# Altium PCB test_stand_2.PcbDoc (part 2 of 2)
Units mm, origin at the board's own origin, x right, y up, seen from the top; angles counter-clockwise.
Board outline 94 x 80 mm, 2 copper layers (Top Layer, Bottom Layer); 210 components, 161 nets, 725 pads, 177 vias.
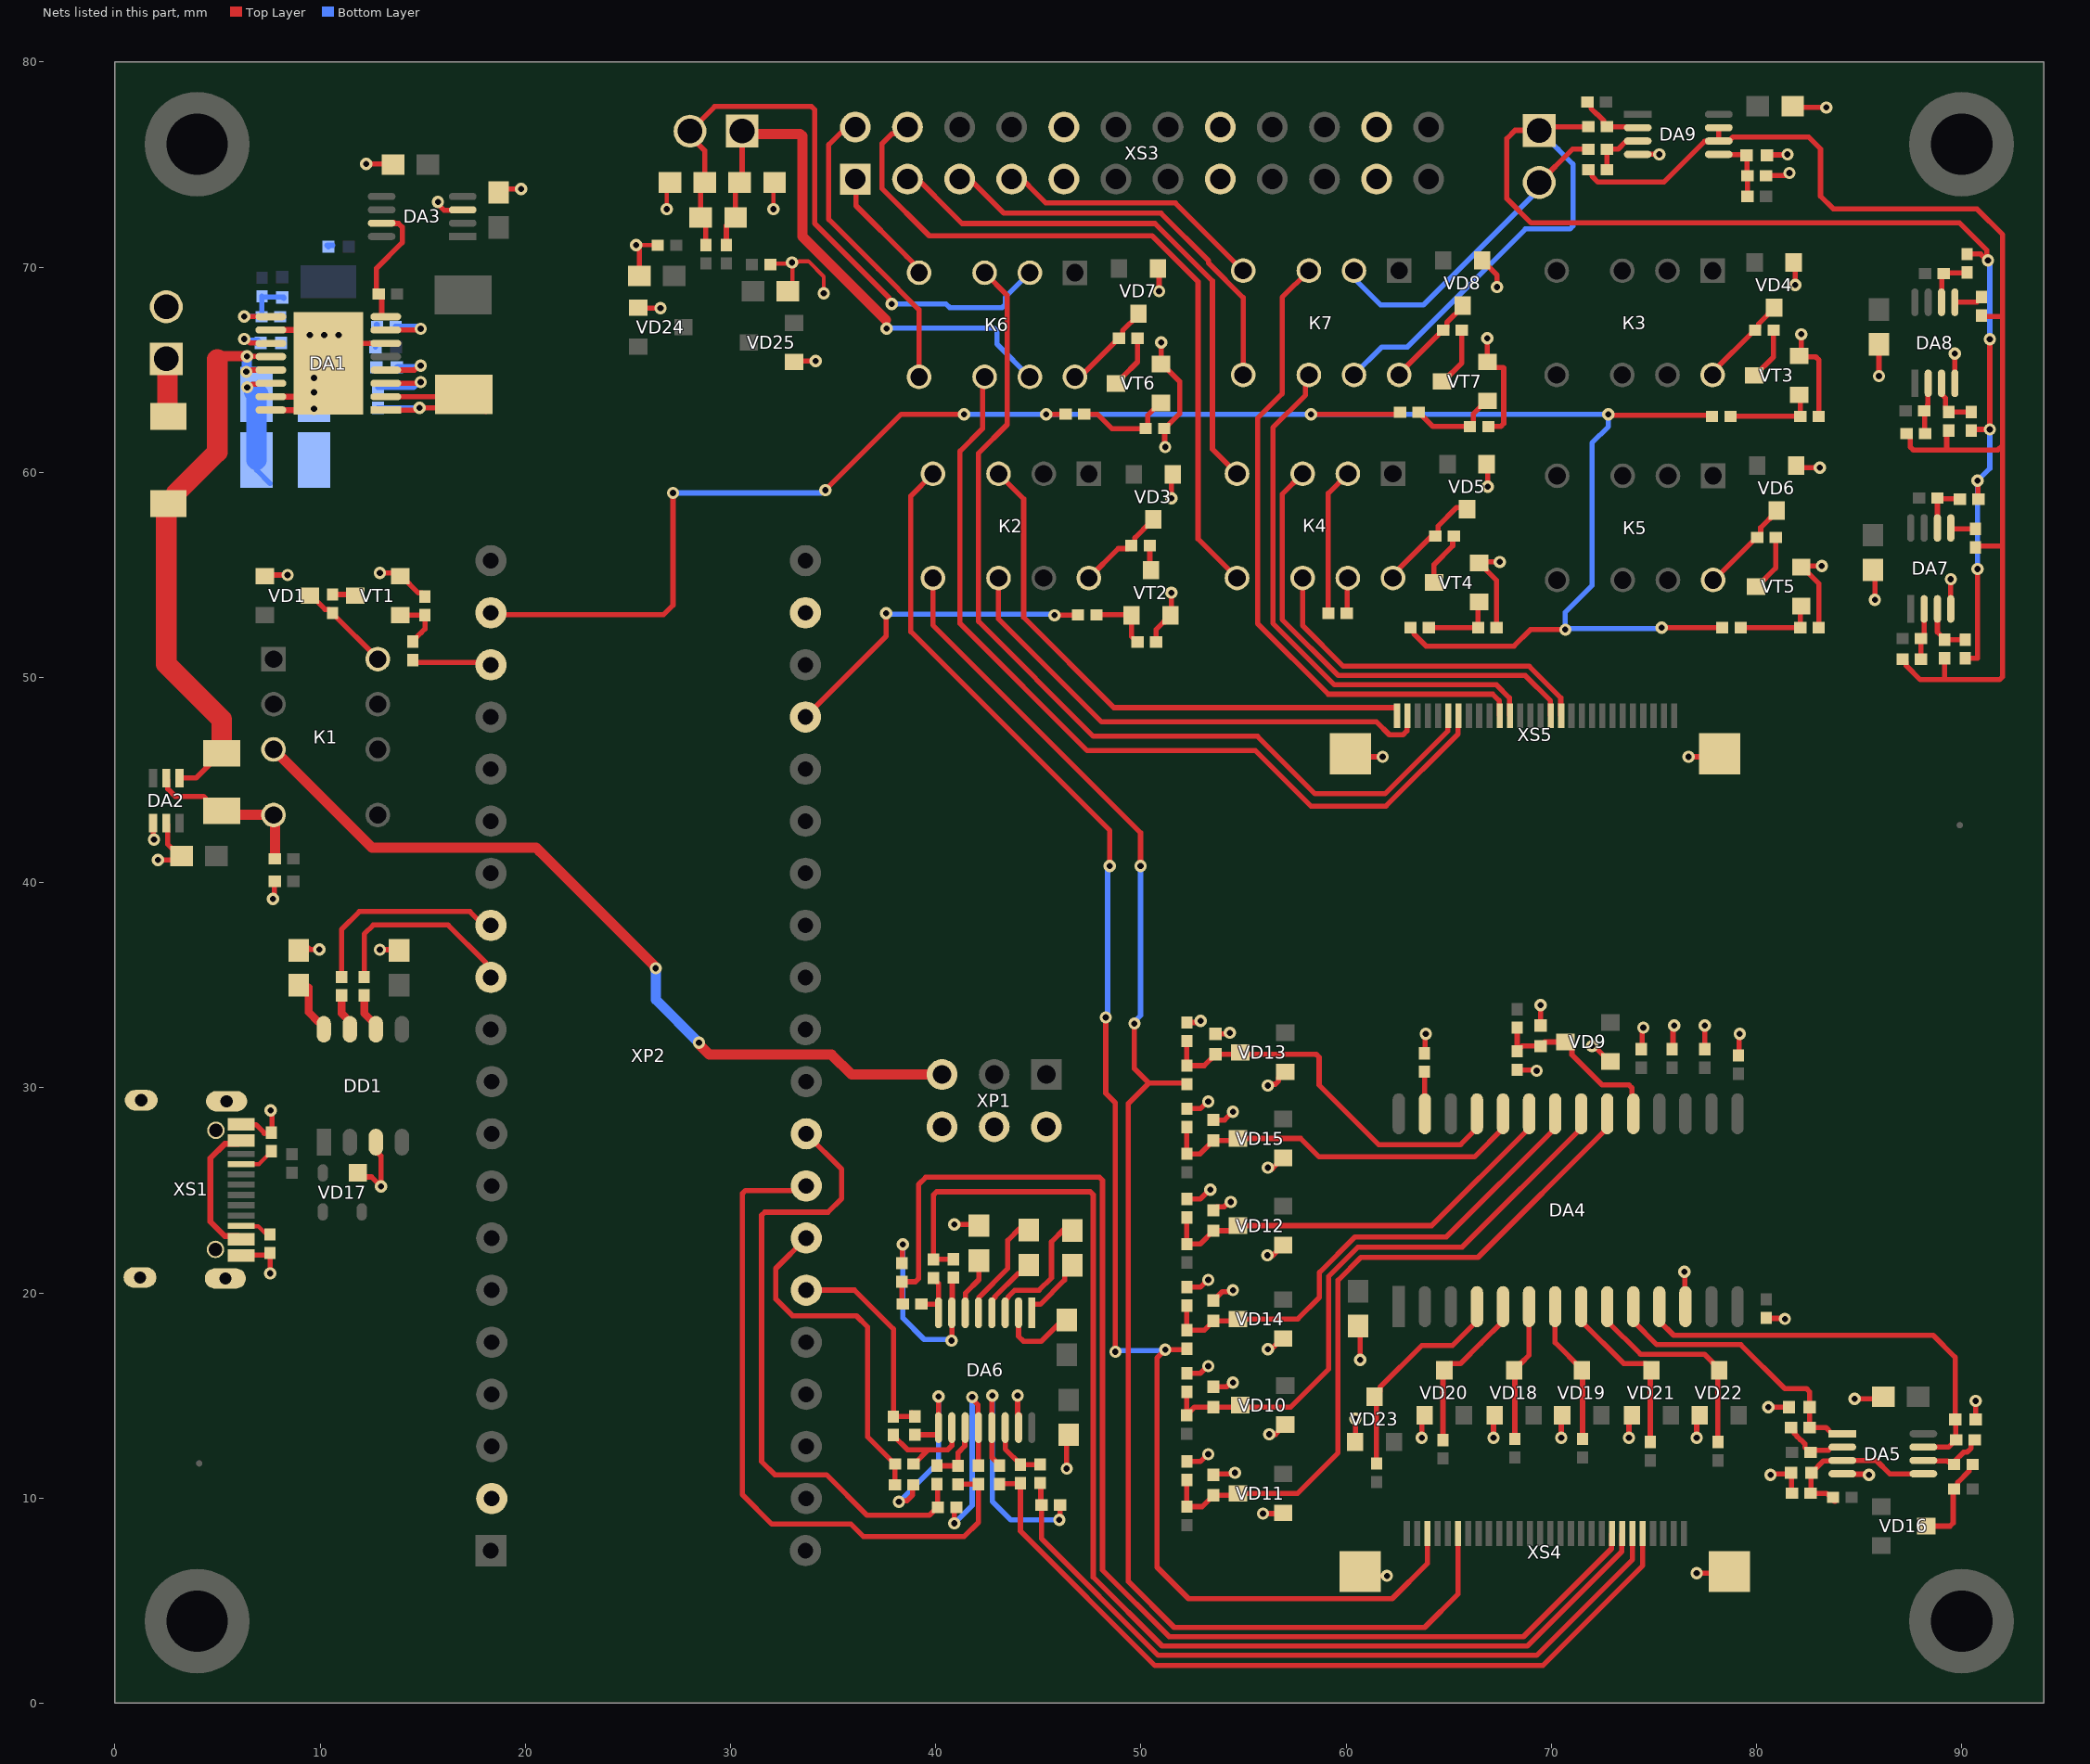
[diagram p2: the nets of this part, all layers, seen from the top]

## Via types
v1: diameter 0.6, hole 0.3, Top Layer to Bottom Layer, tented both sides, 177 vias

## Nets (pads, with @x,y where several pads share a name; then routed paths per layer and width w, separated by ;. In a path a pad name is that pad's centre, name@x,y a point inside that pad or via, vN(x,y) a via of type N, cw(c..) or ccw(c..) an arc to the next point about the centre after c; other vN are vias at no path point) (continued)
GNDpower_ACM: C1.1 C2.1 C3.1 C4.1 C5.1 C7.1 C8.1 C9.1 C10.1 C11.1 C12.1 C13.1 C15.1 C16.1 C17.2 C18.1 C19.1 C20.1 C21.1 C22.1 C26.1 C27.1 C28.1 C29.1 C31.1 C32.2 C33.2 C35.1 C36.1 C37.1 C38.2 C39.2 C40.2 C41.2 DA1.6 DA1.10 DA1.15 DA1.16 DA1.17 DA2.1 DA2.2 DA3.3 DA4.12 DA5.4 DA6.15 DA7.4 DA8.4 DA9.4 DD1.3 R1.1 R3.1 R7.2 R8.1 R11.2 R13.2 R17.2 R19.2 R23.2 R25.2 R27.2 R30.1 R37.1 R38.1 R39.1 R47.1 R48.1 R49.1 R82.1 R84.2 R86.2 R88.1 R89.2 R97.2 R98.1 R99.1 R100.1 R101.1 R102.1 VD1.1 VD3.1 VD4.1 VD5.1 VD6.1 VD7.1 VD8.1 VD9.1 VD10.1 VD11.1 VD12.1 VD13.1 VD14.1 VD15.1 VD17.1 VD18.1 VD19.1 VD20.1 VD21.1 VD22.1 VD23.1 VD24.1 VD25.1 VT1.2 VT2.2 VT3.2 VT4.2 VT5.2 VT6.2 VT7.2 XP1.2 XP1.4 XP1.6 XP2.2 XP2.39 XP3.2 XS1.A1/B12 XS1.A12/B1 XS1.S1 XS1.S2 XS1.S3 XS1.S4 XS1.S5 XS1.S6 XS3.9 XS3.10 XS3.15 XS3.16 XS3.21 XS3.22 XS4.S1 XS4.S2 XS5.S1 XS5.S2 | length 157.7
  Top Layer w0.2: DA1.10@7.001,66.938 DA1.10@7.598,66.938 ; DA1.17@8.798,66.938 10.398,65.338 DA1.17@10.398,65.313 ; v1(25.406,71.072) R84.2@26.456,71.072 ; v1(26.896,72.831) 26.896,73.981 C33.2@27.046,74.131 ; R86.2@31.946,70.131 31.996,70.181 32.946,70.181 v1(32.996,70.231) ; v1(32.096,72.831) 32.096,74.081 C32.2@32.146,74.131 ; C36.1@32.796,68.831 33.018,69.053 33.018,69.973 33.34,70.296 33.796,70.296 34.546,69.545 v1(34.546,68.731)
  Top Layer w0.254: DA2.1@1.85,42.9 1.875,42.875 1.875,42.125 v1(1.9,42.1) ; v1(2.1,41.1) 3.05,41.1 C5.1@3.25,41.3 2.877,41.673 2.764,41.673 2.573,41.864 2.573,42.827 DA2.2@2.5,42.9 ; XS1.S2@5.091,20.746 XS1.S2@5.098,20.753 ; XS1.A1/B12@5.756,28.2 6.877,28.2 7.284,27.793 7.284,27.768 ; XS1.A12/B1@5.758,21.795 XS1.A12/B1@5.801,21.838 ; XS1.A12/B1@5.888,21.839 7.379,21.839 R89.2@7.421,21.882 ; VD1.1@7.31,54.944 7.36,54.994 v1(8.41,54.994) ; R89.2@7.558,21.947 7.561,21.944 7.561,20.955 v1(7.565,20.951) ; v1(7.588,28.896) 7.651,28.833 7.651,27.831 R88.1@7.626,27.806 ; v1(7.696,39.206) 7.767,39.277 7.767,40.035 R7.2@7.792,40.06 ; DA1.17@8.825,63.038 DA1.17@10.398,64.611 ; DA1.17@8.825,63.688 DA1.17@10.398,65.261 ; 9.447,36.798 9.503,36.742 v1(9.964,36.742) ; DA1.17@9.694,63.907 DA1.17@10.398,64.611 ; DA1.17@9.718,64.582 DA1.17@10.398,65.261 ; VD17.1@11.834,25.849 12.033,25.65 12.506,25.65 v1(12.962,25.194) 12.962,26.682 12.717,26.927 DD1.3@12.717,27.348 ; v1(12.244,75.035) 13.792,75.035 C11.1@13.915,74.912 ; v1(12.91,36.727) 13.576,36.727 13.747,36.898 C28.1@13.847,36.798 ; v1(12.91,55.094) 13.76,55.094 VT1.2@13.91,54.944 13.96,54.944 14.787,54.117 14.962,54.117 15.11,53.969 R1.1@15.11,53.944 ; DA1.6@13.198,66.288 11.373,66.288 DA1.17@10.398,65.313 DA1.17@10.398,65.261 ; v1(15.741,73.184) 15.741,73.076 16.039,72.778 16.93,72.778 DA3.3@16.948,72.796 ; C10.1@18.7,73.64 18.95,73.89 19.032,73.808 v1(19.798,73.808) ; v1(25.406,71.072) 25.406,70.978 25.556,70.828 C35.1@25.556,69.572 ; VD24.1@25.506,68.022 25.529,67.999 v1(26.585,67.999) ; VD25.1@33.096,65.381 33.142,65.427 v1(34.151,65.427) ; v1(40.906,23.335) 42.067,23.335 C26.1@42.107,23.375 ; v1(43.995,14.993) 43.995,13.473 DA6.15@44.037,13.431 44.037,13.981 DA6.15@44.087,14.031 ; v1(46.387,11.431) 46.387,12.881 C27.1@46.487,12.981 ; R37.1@50.737,51.731 50.737,52.331 51.114,52.708 51.164,52.708 51.437,52.981 VT2.2@51.437,53.031 51.487,53.081 v1(51.487,54.131) ; VD7.1@50.837,69.931 50.887,69.881 v1(50.887,68.831) ; v1(50.987,66.331) VT6.2@50.987,65.281 51.037,65.281 51.887,64.431 51.887,62.856 51.162,62.131 R48.1@51.137,62.131 51.162,62.106 51.162,61.256 v1(51.187,61.231) ; VD3.1@51.437,59.831 51.487,59.781 v1(51.487,58.731) ; R17.2@52.238,11.778 52.894,11.778 53.247,12.131 v1(53.287,12.131) ; R13.2@52.238,16.078 52.894,16.078 53.247,16.431 v1(53.287,16.431) ; R23.2@52.238,20.278 52.894,20.278 53.247,20.631 v1(53.287,20.631) ; R19.2@52.238,24.578 52.894,24.578 53.347,25.031 v1(53.387,25.031) ; R25.2@52.238,28.978 52.894,28.978 53.247,29.331 v1(53.287,29.331) ; R27.2@52.238,33.178 52.834,33.178 v1(52.916,33.26) ; C15.1@53.538,11.128 53.589,11.179 54.535,11.179 v1(54.587,11.231) ; C13.1@53.538,15.428 54.19,15.428 54.393,15.631 v1(54.487,15.631) ; C18.1@53.538,19.628 53.975,20.065 54.421,20.065 v1(54.487,20.131) ; C16.1@53.538,24.028 53.711,24.201 54.063,24.201 54.293,24.431 v1(54.387,24.431) ; C19.1@53.538,28.428 54.084,28.428 v1(54.487,28.831) ; C20.1@53.638,32.628 54.29,32.628 v1(54.341,32.679) ; v1(55.95,9.239) 56.976,9.239 VD11.1@56.938,9.278 ; v1(56.162,21.831) 56.441,21.831 VD12.1@56.937,22.328 ; v1(56.187,17.256) 56.253,17.322 56.432,17.322 VD14.1@56.888,17.778 ; v1(56.187,26.106) 56.242,26.051 56.411,26.051 VD15.1@56.938,26.578 ; v1(56.187,30.106) 56.253,30.172 56.556,30.172 56.715,30.331 56.715,30.505 56.988,30.778 VD13.1@57.038,30.778 ; v1(56.262,13.106) 56.566,13.106 VD10.1@57.038,13.578 ; XS5.S1@60.212,46.281 60.362,46.131 v1(61.787,46.131) ; VD23.1@60.437,12.731 60.455,12.749 v1(60.455,13.86) ; C41.2@60.587,18.281 60.687,18.181 v1(60.687,16.731) ; XS4.S1@60.687,6.419 60.899,6.207 v1(61.993,6.207) ; v1(63.687,12.931) 63.687,13.881 VD20.1@63.837,14.031 ; R98.1@63.825,31.679 63.856,31.71 63.856,32.6 v1(63.887,32.631) ; VD8.1@66.637,70.331 67.362,69.606 v1(67.362,69.031) ; VD5.1@66.85,60.4 66.9,60.35 v1(66.9,59.3) ; v1(66.887,66.531) VT7.2@66.887,65.381 67.16,65.108 67.661,65.108 67.687,65.082 67.687,62.38 67.538,62.231 R49.1@66.937,62.231 ; v1(67.187,12.931) 67.187,13.981 VD18.1@67.237,14.031 ; R39.1@67.337,52.431 67.337,54.731 66.81,55.258 66.81,55.308 66.537,55.581 VT4.2@66.487,55.581 66.537,55.631 v1(67.487,55.631) ; R11.2@68.338,30.878 68.361,30.854 69.264,30.854 v1(69.287,30.831) ; C12.1@69.487,33.031 v1(69.487,34.031) ; v1(70.487,12.931) 70.487,13.981 VD19.1@70.537,14.031 ; v1(71.987,32.031) 72.053,31.965 72.153,31.965 72.837,31.281 VD9.1@72.887,31.281 ; v1(73.787,12.931) 73.787,13.881 VD21.1@73.937,14.031 ; DA9.4@74.216,75.5 v1(75.266,75.5) ; R97.2@74.387,31.881 74.437,31.931 74.437,32.881 v1(74.487,32.931) ; R102.1@75.887,31.881 75.937,31.931 75.937,32.981 v1(75.987,33.031) ; v1(76.487,21.031) 76.514,21.004 76.514,19.355 DA4.12@76.54,19.329 ; v1(76.687,46.131) 78.062,46.131 XS5.S2@78.212,46.281 ; v1(77.087,6.331) 78.599,6.331 XS4.S2@78.687,6.419 ; v1(77.087,12.931) 77.087,13.881 VD22.1@77.237,14.031 ; R101.1@77.487,31.881 v1(77.487,33.031) ; R100.1@79.125,31.579 79.156,31.61 79.156,32.6 v1(79.187,32.631) ; R82.1@80.466,74.45 80.491,74.475 81.491,74.475 v1(81.611,74.595) ; R99.1@80.487,18.781 80.512,18.756 81.362,18.756 v1(81.387,18.731) ; C31.1@80.516,75.45 80.541,75.475 81.491,75.475 v1(81.516,75.5) ; v1(80.587,14.431) C22.1@81.587,14.431 ; v1(80.687,11.131) 80.737,11.181 81.637,11.181 C21.1@81.687,11.231 81.712,11.206 81.712,10.256 R30.1@81.737,10.231 ; VD4.1@81.814,70.227 81.887,70.154 v1(81.887,69.131) ; C40.2@81.866,77.85 81.931,77.785 v1(83.401,77.785) ; VD6.1@81.937,60.331 82.037,60.231 v1(83.087,60.231) ; v1(82.187,66.731) 82.187,65.781 VT3.2@82.087,65.681 82.137,65.631 82.888,65.631 83.037,65.482 R38.1@83.037,62.731 ; R47.1@83.037,52.431 83.037,54.581 82.237,55.381 VT5.2@82.187,55.381 82.237,55.431 v1(83.187,55.431) ; DA5.4@84.187,11.181 84.205,11.163 85.455,11.163 v1(85.487,11.131) ; v1(84.787,14.831) 85.987,14.831 C17.2@86.087,14.931 ; C38.2@85.673,55.14 85.773,55.04 v1(85.773,53.79) ; v1(85.973,64.69) C39.2@85.973,66.14 ; DA7.4@89.473,53.34 v1(89.473,54.79) ; DA8.4@89.673,64.34 v1(89.673,65.79) ; C37.1@90.687,13.831 v1(90.687,14.731) ; DA1.17@10.398,64.611 DA1.17@10.398,65.261
  Top Layer w0.3: DA1.16@7.598,63.038 DA1.17@8.825,63.038 ; DA1.15@7.598,63.688 DA1.17@8.825,63.688 ; DA1.10@7.598,66.938 DA1.17@8.798,66.938
  Bottom Layer w0.254: C7.1@10.27,66.37 C7.1@10.4,66.5 ; C8.1@10.4,71 10.335,71.065 C8.1@10.609,71.065 ; R3.1@12.751,67.092 R3.1@12.777,67.118 R3.1@12.752,67.143 ; R3.1@12.752,67.204 R3.1@12.777,67.204
  Bottom Layer w1: C2.1@9.5,63.8 9.5,64.35 9.757,64.504 C2.1@10,64.65
  other v1: 9.7,63.1 9.7,63.9 9.7,64.6 9.5,66.7 10.2,66.7 10.9,66.7
GPS_RX: R42.1 R103.1 XS4.24 | length 40
  Top Layer w0.254: R42.1@43.109,10.675 43.134,10.7 44.102,10.7 R103.1@44.127,10.725 44.127,8.391 50.687,1.831 69.587,1.831 74.462,6.706 XS4.24@74.462,8.269
GPS_TX: R41.1 R59.1 XS4.23 | length 37.1
  Top Layer w0.254: R41.1@45.092,10.732 45.125,10.699 45.125,9.693 R59.1@45.158,9.66 45.158,8.018 50.845,2.331 69.287,2.331 73.962,7.006 XS4.23@73.962,8.269
Ipower_ACM: XP1.5 К1.3 | length 40.2
  Top Layer w0.254: v1@28.462,32.119 v1(28.462,32.194)
  Top Layer w0.5: К1.3@7.73,46.494 12.524,41.7 20.528,41.7 20.7,41.528 26.308,35.92 26.308,35.902 26.358,35.852 v1(26.358,35.825) ; v1@28.462,32.148 28.481,32.148 28.481,32.1 28.959,31.622 33.15,31.622 34.917,31.622 35.898,30.641 XP1.5@40.312,30.641
  Bottom Layer w0.5: v1(26.358,35.825) 26.358,34.298 v1(28.462,32.194)
Laser+: XS3.5 К7.5 | length 20.2
  Top Layer w0.254: XS3.5@41.197,74.761 43.327,72.631 50.987,72.631 53.297,70.321 53.297,70.21 54.987,68.52 К7.5@54.987,64.751
Laser-: XS3.7 К7.4 | length 13.3
  Top Layer w0.254: XS3.7@43.737,74.761 45.367,73.131 51.687,73.131 К7.4@54.987,69.831
Laser_ACM_IN: XS5.12 К7.6 | length 26.8
  Top Layer w0.254: К7.6@58.187,64.751 58.026,64.59 58.026,63.77 56.433,62.177 56.433,52.643 59.437,49.639 67.333,49.639 67.964,49.008 67.964,48.154 XS5.12@67.987,48.131
Laser_ACM_OUT: XS5.11 К7.3 | length 32.3
  Top Layer w0.254: К7.3@58.187,69.831 56.887,68.531 56.887,63.831 55.687,62.631 55.687,52.631 59.133,49.185 67.145,49.185 67.464,48.866 67.464,48.154 XS5.11@67.487,48.131
Laser_IN: R62.1 R63.1 R69.1 R71.1 R77.1 XP49.1 К7.7 | length 74.3
  Top Layer w0.254: R77.1@71.816,76.85 69.596,76.85 XP49.1@69.416,76.67 68.238,76.67 67.839,76.271 67.839,73.337 69.018,72.158 89.899,72.158 91.235,70.822 91.235,70.334 90.929,70.64 R71.1@90.273,70.64 ; R62.1@90.173,50.94 90.775,50.94 90.775,55.288 v1(90.773,55.29) ; R63.1@90.473,62.04 90.523,62.09 v1(91.373,62.09) v1(91.373,66.49) ; v1(90.773,59.59) 90.798,59.565 90.798,58.715 R69.1@90.823,58.69
  Bottom Layer w0.254: К7.7@60.387,64.751 61.742,66.106 62.987,66.106 68.743,71.862 70.912,71.862 71.061,72.011 71.061,75.025 70.336,75.75 XP49.1@69.416,76.67 ; v1(90.773,55.29) v1(90.773,59.59) 91.373,60.19 v1(91.373,62.09) ; v1(91.282,70.334) 91.373,70.243 v1(91.373,66.49)
Laser_OUT: R78.1 XP49.2 К7.2 | length 15.7
  Top Layer w0.254: XP49.2@69.416,74.13 71.036,75.75 R78.1@71.816,75.75
  Bottom Layer w0.254: К7.2@60.387,69.831 60.568,69.65 60.568,69.275 61.687,68.156 63.762,68.156 67.112,71.506 69.416,73.81 XP49.2@69.416,74.13
Meas_+3.3V: C20.2 DA4.25 R26.2 R27.1 VD13.3 | length 19.3
  Top Layer w0.254: R27.1@52.238,32.278 R26.2@52.238,31.078 53.088,31.078 C20.2@53.638,31.628 54.738,31.628 VD13.3@54.838,31.728 54.934,31.631 58.538,31.631 58.687,31.482 58.687,30.131 61.587,27.231 65.583,27.231 66.38,28.029 DA4.25@66.38,28.729
Meas_+4.5V: C16.2 DA4.23 R18.2 R19.1 VD12.3 | length 21
  Top Layer w0.254: R19.1@52.238,23.678 R18.2@52.238,22.378 52.888,22.378 C16.2@53.538,23.028 54.487,23.028 VD12.3@54.737,23.278 64.169,23.278 68.92,28.029 DA4.23@68.92,28.729
Meas_+5.5V: C15.2 DA4.20 R16.2 R17.1 VD11.3 | length 35.1
  Top Layer w0.254: R17.1@52.238,10.878 R16.2@52.238,9.578 52.988,9.578 C15.2@53.538,10.128 54.638,10.128 VD11.3@54.738,10.228 57.639,10.228 59.611,12.199 59.611,20.617 60.725,21.731 66.433,21.731 72.73,28.029 DA4.20@72.73,28.729
Meas_+5.5VAA: C19.2 DA4.24 R24.2 R25.1 VD15.3 | length 18.7
  Top Layer w0.254: R25.1@52.238,28.078 R24.2@52.238,26.778 52.888,26.778 C19.2@53.538,27.428 54.638,27.428 VD15.3@54.738,27.528 57.79,27.528 58.687,26.631 66.253,26.631 67.65,28.029 DA4.24@67.65,28.729
Meas_+5V: C13.2 DA4.21 R12.2 R13.1 VD10.3 | length 29.6
  Top Layer w0.254: R12.2@52.237,14.028 R12.2@52.237,14.053 ; R13.1@52.238,15.178 R12.2@52.238,14.053 ; DA4.21@71.46,28.729 71.46,28.029 65.663,22.231 60.582,22.231 59.157,20.806 59.157,16.285 57.303,14.431 54.934,14.431 VD10.3@54.838,14.528 54.738,14.428 C13.2@53.538,14.428 52.612,14.428 R12.2@52.238,14.053
Meas_+5V_Power: C18.2 DA4.22 R22.2 R23.1 VD14.3 | length 24.6
  Top Layer w0.254: R23.1@52.238,19.378 R22.2@52.238,18.178 53.088,18.178 C18.2@53.538,18.628 54.638,18.628 VD14.3@54.738,18.728 57.647,18.728 58.703,19.783 58.703,20.994 60.44,22.731 64.893,22.731 70.19,28.029 DA4.22@70.19,28.729
Meas_+6V: C12.2 DA4.19 R10.2 R11.1 VD9.3 | length 9.4
  Top Layer w0.254: R10.2@68.338,32.928 R11.1@68.338,31.778 68.338,31.803 68.486,31.951 68.511,31.951 68.591,32.031 C12.2@69.487,32.031 69.687,32.231 VD9.3@70.687,32.231 70.737,32.231 71.01,31.958 71.01,31.608 72.487,30.131 73.787,30.131 73.934,29.984 73.934,28.795 DA4.19@74,28.729
Meas_-5.5V: C22.2 DA4.10 DA5.1 R32.2 | length 14.2
  Top Layer w0.254: DA4.10@74,19.329 74,18.629 75.152,17.477 79.241,17.477 81.387,15.331 82.438,15.331 82.587,15.182 C22.2@82.587,14.431 R32.2@82.587,13.431 83.387,13.431 83.687,13.131 DA5.1@84.187,13.131
Meas_-6V: C37.2 DA4.11 DA5.7 R21.2 | length 21.6
  Top Layer w0.254: DA4.11@75.27,19.329 75.27,18.629 75.968,17.931 88.612,17.931 89.687,16.856 C37.2@89.687,13.831 89.712,13.806 89.712,12.831 89.362,12.481 DA5.7@88.137,12.481
NetC3_2: C3.2 DA1.11 | length 2.3
  Top Layer w0.254: v1(6.3,66.5) 6.394,66.5 6.593,66.3 7.586,66.3 DA1.11@7.598,66.288
  Bottom Layer w0.254: v1(6.3,66.5) 6.366,66.434 6.974,66.434 C3.2@7.099,66.309
NetC4_2: C4.2 DA1.4 | length 3.4
  Top Layer w0.254: DA1.4@13.198,64.988 14.594,64.988 14.806,65.2 v1(14.9,65.2)
  Bottom Layer w0.254: C4.2@14.029,65.1 13.895,64.966 C4.2@13.737,65.124 13.775,65.162 14.862,65.162 v1(14.9,65.2)
NetC6_1: C6.1 DA1.3 | length 3.9
  Top Layer w0.254: DA1.3@13.198,64.338 14.84,64.338 v1(14.901,64.398)
  Bottom Layer w0.254: C6.1@12.817,64.139 14.548,64.139 14.807,64.398 v1(14.901,64.398)
NetC6_2: C6.2 DA1.1 DA1.2 L1.1 | length 11.2
  Top Layer w0.254: DA1.1@13.198,63.038 14.738,63.038 v1(14.839,63.139) 16.339,63.139 L1.1@16.888,63.688 ; DA1.2@13.198,63.688 L1.1@16.888,63.688 ; L1.1@18.068,62.975 17.243,63.8 L1.1@17,63.8 L1.1@16.888,63.688
  Bottom Layer w0.254: C6.2@12.817,63.139 v1(14.839,63.139)
NetC14_1: C14.1 DA1.9 R8.2 R9.1 | length 4.7
  Top Layer w0.254: v1(6.3,67.6) 6.306,67.594 7.807,67.594 7.813,67.588 8.028,67.588 DA1.9@8.072,67.632
  Bottom Layer w0.254: v1(6.3,67.6) 6.312,67.588 R8.2@7.148,67.588 7.155,67.595 7.155,68.577 R9.1@7.163,68.584 7.193,68.554 8.121,68.554 C14.1@8.151,68.524 ; C14.1@8.229,68.538 8.204,68.513 C14.1@8.23,68.487
NetC21_2: C21.2 DA5.3 DA5.5 R30.2 R31.1 | length 8.4
  Top Layer w0.254: R31.1@83.837,9.831 83.812,9.831 83.412,10.231 R30.2@82.637,10.231 82.662,10.256 82.662,11.206 C21.2@82.687,11.231 83.269,11.813 84.169,11.813 DA5.3@84.187,11.831 85.846,11.831 86.496,11.181 DA5.5@88.137,11.181
NetC23_1: C23.1 DA6.5 | length 5
  Top Layer w0.254: DA6.5@42.087,19.031 42.105,19.049 42.105,19.781 43.516,21.192 43.516,22.56 44.087,23.131 C23.1@44.187,23.131
NetC23_2: C23.2 DA6.4 | length 2.9
  Top Layer w0.254: DA6.4@42.737,19.031 42.737,19.632 42.885,19.78 42.885,19.814 44.006,20.935 44.159,20.935 44.187,20.963 C23.2@44.187,21.231
NetC24_1: C24.1 DA6.3 | length 6.1
  Top Layer w0.254: DA6.3@43.387,19.031 43.387,19.632 43.535,19.78 43.535,19.814 43.851,20.13 45.041,20.13 45.642,20.731 45.642,22.486 46.287,23.131 C24.1@46.387,23.131
NetC24_2: C24.2 DA6.1 | length 3.1
  Top Layer w0.254: DA6.1@44.687,19.031 44.687,19.39 44.735,19.438 45.094,19.438 46.285,20.629 46.285,21.129 C24.2@46.387,21.231
NetC25_1: C25.1 DA6.2 | length 4.1
  Top Layer w0.254: DA6.2@44.037,19.031 44.037,17.881 44.282,17.636 45.142,17.636 46.287,18.781 C25.1@46.387,18.781
NetC26_2: C26.2 DA6.6 | length 2.8
  Top Layer w0.254: DA6.6@41.437,19.031 41.455,19.049 41.455,19.992 42.107,20.644 C26.2@42.107,21.575 ; C26.2@42.332,21.302 C26.2@42.359,21.302
NetC29_2: C29.2 DD1.8 | length 2.4
  Top Layer w0.381: 9.447,34.898 9.447,33.677 9.914,33.209 10.03,33.209 10.177,33.062 DD1.8@10.177,32.848
NetC31_2: C31.2 DA9.5 R80.2 R82.2 | length 3.4
  Top Layer w0.254: DA9.5@78.166,75.5 78.184,75.482 79.484,75.482 C31.2@79.516,75.45 79.541,75.425 79.541,74.475 R82.2@79.566,74.45 R80.2@79.566,73.45
NetDA1_7: DA1.7 R3.2 | length 3
  Top Layer w0.254: DA1.7@13.198,66.938 14.838,66.938 v1(14.9,67)
  Bottom Layer w0.254: R3.2@13.677,67.118 14.688,67.118 14.806,67 v1(14.9,67)
NetDA1_8: DA1.8 DA3.7 R6.1 | length 6.3
  Top Layer w0.254: DA3.7@12.998,72.146 13.524,72.146 13.572,72.194 DA3.7@13.595,72.194 ; DA1.8@13.198,67.588 13.044,67.588 13,67.632 13,68.55 R6.1@12.85,68.7 12.75,68.8 12.75,69.95 14,71.2 14,71.951 13.824,72.128 DA3.7@13.524,72.128
NetDA2_5: DA2.5 R4.2 R5.1 К1.4 | length 8.7
  Top Layer w0.254: DA2.5@2.5,45.1 2.573,45.027 2.573,44.565 2.938,44.2 4.32,44.2 4.427,44.093 4.427,43.823 4.95,43.3 R4.2@5.2,43.3 ; К1.4@7.572,43.136 К1.4@7.73,43.294
  Top Layer w0.5: R4.2@5.2,43.3 5.203,43.297 7.727,43.297 К1.4@7.73,43.294 ; К1.4@7.572,43.136 7.634,43.136 7.8,42.971 7.8,41.185 7.792,41.177 R5.1@7.792,41.16
NetDA4_4: DA4.4 R94.2 VD23.3 | length 10.6
  Top Layer w0.254: R94.2@61.487,11.681 61.487,14.831 VD23.3@61.387,14.931 61.66,15.204 61.66,15.404 63.687,17.431 65.183,17.431 66.38,18.629 DA4.4@66.38,19.329
NetDA4_5: DA4.5 R92.2 VD20.3 | length 8
  Top Layer w0.254: R92.2@64.726,12.829 64.726,16.17 VD20.3@64.787,16.231 64.787,16.281 65.06,16.554 65.576,16.554 66.58,17.558 67.65,18.629 DA4.5@67.65,19.329
NetDA4_6: DA4.6 R91.2 VD18.3 | length 6.8
  Top Layer w0.254: R91.2@68.226,12.879 68.226,16.192 VD18.3@68.187,16.231 68.187,16.281 68.46,16.554 68.51,16.554 68.92,16.964 DA4.6@68.92,19.329
NetDA4_7: DA4.7 R93.2 VD19.3 | length 7
  Top Layer w0.254: DA4.7@70.19,19.329 70.19,17.578 71.487,16.281 VD19.3@71.487,16.231 71.526,16.192 R93.2@71.526,12.879
NetDA4_8: DA4.8 R95.2 VD21.3 | length 8.7
  Top Layer w0.254: DA4.8@71.46,19.329 71.46,18.629 73.535,16.554 74.614,16.554 74.887,16.281 VD21.3@74.887,16.231 74.826,16.17 R95.2@74.826,12.729
NetDA4_9: DA4.9 R96.2 VD22.3 | length 10.7
  Top Layer w0.254: DA4.9@72.73,19.329 72.73,18.629 74.351,17.008 77.46,17.008 78.187,16.281 VD22.3@78.187,16.231 78.126,16.17 R96.2@78.126,12.729
NetDA4_27: DA4.27 R98.2 | length 2.1
  Top Layer w0.254: R98.2@63.825,30.779 63.833,30.771 63.833,28.736 DA4.27@63.84,28.729
NetDA5_2: DA5.2 R29.2 R32.1 | length 3.3
  Top Layer w0.254: R32.1@81.687,13.431 81.712,13.431 81.86,13.283 81.86,13.145 81.96,13.045 81.96,13.021 82.152,12.829 82.176,12.829 82.364,12.641 82.364,12.479 82.612,12.231 R29.2@82.637,12.231 82.739,12.333 83.513,12.333 83.661,12.481 DA5.2@84.187,12.481
NetDA5_6: DA5.6 R20.2 R21.1 | length 3.4
  Top Layer w0.254: DA5.6@88.137,11.831 88.155,11.813 89.305,11.813 89.387,11.731 R20.2@89.637,11.731 ; R20.2@89.637,11.631 R20.2@89.637,11.731 ; R20.2@89.737,11.731 R20.2@89.637,11.731 ; R21.1@90.637,12.831 90.612,12.831 90.464,12.683 90.464,12.433 90.264,12.233 90.102,12.233 89.637,11.768 R20.2@89.637,11.731
NetDA6_7: DA6.7 R50.2 R61.2 | length 10.5
  Top Layer w0.254: R61.2@38.355,21.444 38.377,21.466 38.377,22.344 v1(38.399,22.366) ; v1(40.775,17.671) 40.787,17.683 DA6.7@40.787,19.031 40.805,19.049 40.805,20.687 R50.2@40.86,20.742
  Bottom Layer w0.254: v1(38.399,22.366) 38.399,18.771 39.439,17.731 40.715,17.731 v1(40.775,17.671)
NetDA6_8: DA6.8 R51.2 R60.2 | length 2.8
  Top Layer w0.254: R51.2@39.3,19.454 39.316,19.438 40.093,19.438 DA6.8@40.137,19.394 ; R51.2@39.352,19.493 R51.2@39.455,19.596 ; R60.2@39.894,20.724 39.894,20.699 40.137,20.456 DA6.8@40.137,19.394 ; DA6.8@40.137,19.031 DA6.8@40.137,19.394
NetDA6_9: DA6.9 R57.1 R106.1 | length 10.3
  Top Layer w0.254: v1(38.21,9.813) 38.266,9.869 38.609,9.869 38.882,10.142 38.882,10.622 R106.1@38.909,10.649 ; R57.1@38.987,13.081 40.093,13.081 40.137,13.125 DA6.9@40.137,13.431 40.134,13.434 v1(40.134,14.946) v1@40.134,14.857
  Bottom Layer w0.254: v1(38.21,9.813) 40.134,11.737 v1(40.134,14.946)
NetDA6_10: DA6.10 R52.1 R104.1 | length 5.1
  Top Layer w0.254: R104.1@37.939,13.066 37.939,13.041 38.626,12.354 39.64,12.354 ; R52.1@38.924,11.663 38.949,11.663 39.64,12.354 ; DA6.10@40.787,13.431 40.787,12.551 40.59,12.354 39.64,12.354
NetDA6_11: DA6.11 R76.1 R105.1 | length 3
  Top Layer w0.254: R76.1@40.063,11.574 40.067,11.57 41.083,11.57 R105.1@41.087,11.567 41.087,12.209 41.419,12.541 41.419,13.413 DA6.11@41.437,13.431
NetDA6_12: DA6.12 R87.1 R107.1 | length 11
  Top Layer w0.254: v1(40.91,8.765) 40.91,9.449 R107.1@41.009,9.548 ; v1@41.928,14.919 v1(41.781,14.919) 41.781,14.825 42.069,14.538 42.069,13.449 DA6.12@42.087,13.431 R87.1@42.087,11.581
  Bottom Layer w0.254: v1(40.91,8.765) 41.781,9.636 v1(41.781,14.919)
NetDA6_13: DA6.13 R42.2 R59.2 | length 13.1
  Top Layer w0.254: v1(42.758,14.998) 42.737,14.977 DA6.13@42.737,13.431 42.737,11.972 43.109,11.6 R42.2@43.109,11.575 ; v1(46.024,8.936) 46.058,8.97 R59.2@46.058,9.66
  Bottom Layer w0.254: v1(42.758,14.998) 42.758,9.838 43.66,8.936 v1(46.024,8.936)
NetDA6_14: DA6.14 R41.2 R103.2 | length 3.1
  Top Layer w0.254: DA6.14@43.387,13.431 43.387,12.39 44.127,11.65 R103.2@44.127,11.625 44.131,11.628 45.089,11.628 R41.2@45.092,11.632
NetDA7_2: DA7.2 R68.1 R72.1 | length 2.6
  Top Layer w0.254: R68.1@88.023,50.89 88.023,51.865 87.998,51.89 R72.1@88.023,51.89 R72.1@88.023,51.89 88.173,52.038 DA7.2@88.173,53.34 DA7.2@88.155,53.322
NetDA7_3: DA7.3 R62.2 R64.1 | length 2.9
  Top Layer w0.254: DA7.3@88.823,53.34 88.823,52.215 89.173,51.865 R64.1@89.173,51.84 R62.2@90.173,51.84 90.025,51.988 R62.2@90.025,52.013
NetDA7_5: DA7.5 R66.1 | length 1.3
  Top Layer w0.254: DA7.5@89.473,57.29 89.473,57.284 89.517,57.24 R66.1@90.773,57.24
NetDA7_6: DA7.6 R69.2 R73.1 | length 2.6
  Top Layer w0.254: DA7.6@88.823,57.29 R73.1@88.823,58.74 88.848,58.715 89.898,58.715 R69.2@89.923,58.69
NetDA8_2: DA8.2 R70.1 R74.1 | length 2.6
  Top Layer w0.254: R70.1@88.223,61.89 88.198,61.915 88.198,62.965 R74.1@88.173,62.99 88.198,62.99 88.346,63.138 88.346,63.278 88.355,63.287 88.355,64.322 DA8.2@88.373,64.34
NetDA8_3: DA8.3 R63.2 R65.1 | length 2.7
  Top Layer w0.254: DA8.3@89.023,64.34 89.023,63.814 89.225,63.612 89.225,63.088 R65.1@89.373,62.94 R63.2@90.473,62.94 R63.2@90.498,62.965
NetDA8_5: DA8.5 R67.1 | length 1.4
  Top Layer w0.254: DA8.5@89.673,68.29 90.748,68.29 90.973,68.515 R67.1@90.973,68.54
NetDA8_6: DA8.6 R71.2 R75.1 | length 2.6
  Top Layer w0.254: DA8.6@89.023,68.29 89.041,68.308 89.041,69.608 R75.1@89.123,69.69 89.148,69.715 90.248,69.715 R71.2@90.273,69.74
NetDA9_2: DA9.2 R77.2 R81.1 | length 3.2
  Top Layer w0.254: R81.1@71.766,78.05 71.791,78.05 71.939,77.902 71.939,77.74 72.227,77.452 72.251,77.452 72.543,77.16 72.543,76.998 72.691,76.85 R77.2@72.716,76.85 73.64,76.85 73.69,76.8 DA9.2@74.216,76.8
NetDA9_3: DA9.3 R78.2 R79.1 | length 2.7
  Top Layer w0.254: R79.1@72.716,74.75 R78.2@72.716,75.75 73.256,75.75 73.638,76.132 74.198,76.132 DA9.3@74.216,76.15
NetDD1_6: DD1.6 R58.1 | length 1.9
  Top Layer w0.381: R58.1@12.147,34.498 12.147,33.627 12.564,33.209 12.57,33.209 12.717,33.062 DD1.6@12.717,32.848
NetDD1_7: DD1.7 R56.1 | length 1.8
  Top Layer w0.381: R56.1@11.047,34.498 11.047,33.627 11.447,33.227 DD1.7@11.447,32.848
NetR1_2: R1.2 R14.1 VT1.1 | length 2.8
  Top Layer w0.254: VT1.1@13.91,53.044 R1.2@15.11,53.044 15.11,52.363 14.93,52.183 14.924,52.183 14.51,51.769 R14.1@14.51,51.744
NetR2_1: R2.1 VT1.3 | length 1.1
  Top Layer w0.254: R2.1@10.61,54.044 11.66,54.044 VT1.3@11.71,53.994
NetR2_2: R2.2 VD1.3 К1.8 | length 4.6
  Top Layer w0.254: VD1.3@9.51,53.994 9.56,53.994 10.237,53.317 10.462,53.317 10.61,53.169 R2.2@10.61,53.144 10.61,53.119 12.81,50.919 К1.8@12.81,50.894
NetR15_2: R15.2 R20.1 VD16.3 | length 4.5
  Top Layer w0.254: VD16.3@88.287,8.631 89.438,8.631 89.587,8.78 89.587,10.283 89.81,10.506 89.81,10.754 90.364,11.308 90.364,11.483 R20.1@90.464,11.583
NetR28_1: R28.1 R37.2 VT2.1 | length 3.2
  Top Layer w0.254: R28.1@47.833,53.054 49.514,53.054 VT2.1@49.537,53.031 49.537,52.006 49.812,51.731 R37.2@49.837,51.731
NetR33_1: R33.1 R38.2 VT3.1 | length 4.5
  Top Layer w0.254: R33.1@78.737,62.731 R38.2@82.137,62.731 82.137,63.731 VT3.1@82.087,63.781
NetR34_1: R34.1 R39.2 VT4.1 | length 3.7
  Top Layer w0.254: R34.1@64.037,52.431 R39.2@66.437,52.431 66.437,53.631 VT4.1@66.487,53.681
NetR35_1: R35.1 R47.2 VT5.1 | length 4
  Top Layer w0.254: R35.1@79.237,52.431 R47.2@82.137,52.431 82.137,53.431 VT5.1@82.187,53.481
NetR36_1: R36.1 R48.2 VT6.1 | length 4.9
  Top Layer w0.254: R36.1@47.237,62.831 47.887,62.831 48.587,62.131 R48.2@50.237,62.131 50.343,62.237 50.343,62.787 50.937,63.381 VT6.1@50.987,63.381
NetR40_1: R40.1 R49.2 VT7.1 | length 4.4
  Top Layer w0.254: R40.1@63.537,62.931 64.237,62.231 66.062,62.231 66.21,62.379 66.21,62.854 66.837,63.481 VT7.1@66.887,63.481
NetR43_1: R43.1 VT2.3 | length 1.2
  Top Layer w0.254: R43.1@50.437,56.431 50.437,55.281 VT2.3@50.487,55.231
NetR43_2: R43.2 VD3.3 К2.8 | length 4.3
  Top Layer w0.254: К2.8@47.464,54.847 48.901,56.283 49.389,56.283 R43.2@49.537,56.431 49.562,56.431 49.71,56.579 49.71,56.804 50.487,57.581 VD3.3@50.487,57.631
NetR44_1: R44.1 VT3.3 | length 2.6
  Top Layer w0.254: VT3.3@79.887,64.731 79.937,64.731 80.837,65.631 R44.1@80.837,66.931
NetR44_2: R44.2 VD4.3 К3.8 | length 4.7
  Top Layer w0.254: К3.8@77.864,64.747 77.864,64.883 79.912,66.931 R44.2@79.937,66.931 79.962,66.931 80.11,67.079 80.11,67.241 80.572,67.704 80.591,67.704 80.864,67.977 VD4.3@80.864,68.027 VD4.3@80.787,67.95
NetR45_1: R45.1 VT4.3 | length 2.7
  Top Layer w0.254: VT4.3@64.287,54.631 64.287,55.505 65.2,56.418 R45.1@65.2,56.994
NetR45_2: R45.2 VD5.3 К4.8 | length 5.3
  Top Layer w0.254: К4.8@62.287,54.851 62.287,55.006 64.253,56.972 64.405,56.972 64.481,57.048 64.481,57.375 65.387,58.281 65.819,58.281 VD5.3@65.9,58.2
NetR46_1: R46.1 К4.7 | length 1.7
  Top Layer w0.254: R46.1@60.037,53.131 60.062,53.156 60.062,54.826 К4.7@60.087,54.851
NetR46_2: R46.2 К4.2 | length 7.2
  Top Layer w0.254: R46.2@59.137,53.131 59.137,58.981 К4.2@60.087,59.931
NetR53_1: R53.1 VT5.3 | length 2.8
  Top Layer w0.254: VT5.3@79.987,54.431 80.037,54.431 80.937,55.331 R53.1@80.937,56.831
NetR53_2: R53.2 VD6.3 К5.8 | length 4.7
  Top Layer w0.254: К5.8@77.887,54.751 77.932,54.751 80.012,56.831 R53.2@80.037,56.831 80.062,56.831 80.21,56.979 80.21,57.304 80.987,58.081 VD6.3@80.987,58.131
NetR54_1: R54.1 VT6.3 | length 2.7
  Top Layer w0.254: VT6.3@48.787,64.331 48.837,64.331 49.11,64.604 49.11,64.654 49.837,65.381 R54.1@49.837,66.531
NetR54_2: R54.2 VD7.3 К6.8 | length 4.5
  Top Layer w0.254: К6.8@46.787,64.651 47.032,64.651 48.912,66.531 R54.2@48.937,66.531 48.962,66.531 49.11,66.679 49.11,66.904 49.887,67.681 VD7.3@49.887,67.731
NetR55_1: R55.1 VT7.3 | length 2.9
  Top Layer w0.254: VT7.3@64.687,64.431 64.737,64.431 65.637,65.331 R55.1@65.637,66.931
NetR55_2: R55.2 VD8.3 К7.8 | length 4.7
  Top Layer w0.254: К7.8@62.587,64.751 62.587,64.806 64.86,67.079 64.91,67.079 64.91,67.304 65.687,68.081 VD8.3@65.687,68.131
NetR88_2: R88.2 XS1.A5 | length 1.8
  Top Layer w0.2: XS1.A5@6.149,26.271 7.016,26.271 7.626,26.881 R88.2@7.626,26.906
NetR89_1: R89.1 XS1.B5 | length 1
  Top Layer w0.2: XS1.B5@6.615,23.252 6.976,23.252 7.421,22.807 R89.1@7.421,22.782
NetVD2_1: VD2.1 XP3.1 | length 2.6
  Top Layer w0.254: VD2.1@2.556,62.846 2.636,62.766 VD2.1@2.6,62.73
  Top Layer w1: VD2.1@2.556,62.846 XP3.1@2.556,65.294
NetXS1_A4/B9: XS1.A4/B9 XS1.A9/B4 | length 6.8
  Top Layer w0.3: XS1.A4/B9@6.154,27.421 6.004,27.271 5.355,27.271 4.649,26.566 4.649,23.467 5.351,22.766 6.007,22.766 XS1.A9/B4@6.157,22.616
Peltie+: XS3.2 К6.5 | length 15
  Top Layer w0.254: XS3.2@36.117,77.301 34.787,75.971 34.787,72.331 37.212,69.906 39.187,67.931 К6.5@39.187,64.651
Peltie-: XS3.1 К6.4 | length 6.3
  Top Layer w0.254: XS3.1@36.117,74.761 36.117,73.001 38.587,70.531 38.587,70.518 39.187,69.918 К6.4@39.187,69.731
Peltie_ACM_IN: XS5.7 К6.6 | length 42.6
  Top Layer w0.254: К6.6@42.287,64.431 42.287,62.131 41.187,61.031 41.187,52.631 47.387,46.431 55.587,46.431 58.287,43.731 61.941,43.731 65.464,47.254 65.464,48.108 XS5.7@65.487,48.131
Peltie_ACM_OUT: XS5.6 К6.3 | length 46.4
  Top Layer w0.254: К6.3@42.387,69.731 43.487,68.631 43.487,62.331 42.087,60.931 42.087,52.731 47.687,47.131 55.687,47.131 58.487,44.331 61.899,44.331 64.964,47.396 64.964,48.108 XS5.6@64.987,48.131
Peltie_IN: C32.1 C34.2 R85.2 XP51.1 К6.7 | length 28.4
  Top Layer w0.254: R85.2@29.796,71.081 29.796,72.031 30.196,72.431 C34.2@30.246,72.431 30.246,73.931 C32.1@30.446,74.131 30.566,74.251 XP51.1@30.566,76.631 ; 33.4,76.5 33.549,76.351 ; 37.568,67.423 37.568,67.05 v1(37.609,67.009)
  Top Layer w0.5: XP51.1@30.566,76.631 30.697,76.5 33.4,76.5 ; 33.499,76.401 33.499,71.492 37.568,67.423
  Bottom Layer w0.254: v1@37.609,67.031 42.838,67.031 42.987,66.882 42.987,66.251 К6.7@44.587,64.651
Peltie_OUT: C33.1 C34.1 R83.2 XP51.2 К6.2 | length 31.4
  Top Layer w0.254: R83.2@28.796,71.081 28.796,72.181 C34.1@28.546,72.431 28.546,73.931 C33.1@28.746,74.131 28.746,75.681 28.026,76.401 XP51.2@28.026,76.631 29.226,77.831 33.947,77.831 34.096,77.682 34.096,72.142 37.719,68.519 37.719,68.435 37.858,68.296 v1(37.858,68.202)
  Bottom Layer w0.254: v1(37.858,68.202) 40.509,68.202 40.681,68.031 43.238,68.031 43.387,68.18 43.387,68.531 К6.2@44.587,69.731
Power: C1.2 C2.2 DA1.12 DA1.13 DA1.14 DA2.4 R4.1 VD2.2 | length 33.5
  Top Layer w0.254: DA2.4@3.15,45.1 3.95,45.1 R4.1@4.95,46.1 ; R4.1@4.95,46.3 R4.1@5.2,46.3 ; v1(6.4,64.9) 6.494,64.9 6.582,64.988 DA1.13@7.598,64.988 ; v1(6.437,65.655) 7.58,65.655 DA1.12@7.598,65.638 ; v1(6.445,64.145) 6.539,64.145 6.694,64.3 6.917,64.3 6.937,64.32 7.58,64.32 DA1.14@7.598,64.338
  Top Layer w0.5: 4.893,65.593 4.955,65.655 v1(6.437,65.655)
  Top Layer w1: VD2.2@2.6,58.47 2.5,58.37 2.5,50.651 5.2,47.951 R4.1@5.2,46.3 ; VD2.2@2.98,58.985 4.986,60.991 4.986,65.501
  Bottom Layer w0.254: C1.2@6.89,60.128 C1.2@7.563,59.455
  Bottom Layer w0.5: v1(6.4,64.9) 6.418,64.918 6.418,65.636 v1(6.437,65.655)
  Bottom Layer w1: C2.2@6.783,63.917 C2.2@6.9,63.8 ; C1.2@6.9,60.6 6.9,63.722 C2.2@6.978,63.8
R1_IN: XS5.2 К2.6 | length 25.1
  Top Layer w0.254: К2.6@43.064,54.847 43.064,52.854 48.087,47.831 61.487,47.831 62.114,47.204 62.772,47.204 62.964,47.396 62.964,48.108 XS5.2@62.987,48.131
R1_OUT: R26.1 XS4.6 К2.5 | length 76.4
  Top Layer w0.254: К2.5@39.864,54.847 39.864,52.554 49.987,42.431 v1(49.987,40.806) ; v1(49.687,33.131) 49.687,30.931 50.387,30.231 ; R26.1@52.238,30.178 52.185,30.231 50.387,30.231 ; XS4.6@65.462,8.269 65.462,5.322 63.833,3.693 51.625,3.693 49.387,5.931 49.387,29.231 50.387,30.231
  Bottom Layer w0.254: v1(49.687,33.131) 49.687,33.225 49.987,33.525 v1(49.987,40.806)
R22_IN: XS5.1 К2.3 | length 27.9
  Top Layer w0.254: К2.3@43.064,59.927 44.287,58.704 44.287,52.931 48.687,48.531 62.464,48.531 62.487,48.508 XS5.1@62.487,48.131
R22_OUT: R22.1 XS4.3 К2.4 | length 77.8
  Top Layer w0.254: К2.4@39.864,59.927 38.787,58.849 38.787,52.231 48.487,42.531 v1(48.487,40.806) ; v1(48.287,33.429) 48.287,29.731 48.76,29.258 v1(48.76,17.131) ; R22.1@52.238,17.278 52.191,17.231 v1(51.187,17.231) 50.787,16.831 50.787,6.631 52.326,5.092 62.248,5.092 63.962,6.806 XS4.3@63.962,8.269
  Bottom Layer w0.254: v1(48.287,33.429) 48.287,33.525 48.378,33.616 48.378,40.697 v1(48.487,40.806) ; v1@48.76,17.181 51.137,17.181 v1(51.187,17.231)
RL1_Control: R14.2 XP2.18 | length 3.9
  Top Layer w0.254: R14.2@14.51,50.844 14.625,50.729 18.207,50.729 XP2.18@18.322,50.614
RL2_Control: R28.2 XP2.37 | length 16.1
  Top Layer w0.254: XP2.37@33.652,48.074 37.587,52.009 v1(37.587,53.132) ; v1(45.787,53.031) 45.798,53.042 46.922,53.042 R28.2@46.933,53.054
  Bottom Layer w0.254: v1(37.587,53.132) 37.637,53.081 45.737,53.081 v1(45.787,53.031)
RL3+_Control: R33.2 R34.2 R35.2 R36.2 R40.2 XP2.19 | length 99.6
  Top Layer w0.254: XP2.19@18.322,53.154 18.41,53.066 26.741,53.066 27.2,53.525 v1(27.2,58.996) ; v1(34.62,59.129) 38.322,62.831 v1(41.387,62.831) ; v1(45.387,62.831) R36.2@46.337,62.831 ; v1(58.287,62.831) 62.537,62.831 R40.2@62.637,62.931 ; R34.2@63.137,52.431 63.162,52.431 63.31,52.283 63.31,52.121 63.9,51.531 68.187,51.531 68.987,52.331 v1(70.687,52.331) ; v1(72.787,62.831) 72.837,62.781 77.787,62.781 R33.2@77.837,62.731 ; v1(75.387,52.431) R35.2@78.337,52.431
  Bottom Layer w0.254: v1(27.2,58.996) 34.393,58.996 34.526,59.129 v1(34.62,59.129) ; v1(41.387,62.831) v1(45.387,62.831) v1(58.287,62.831) v1(72.787,62.831) 72.787,62.231 71.987,61.431 71.987,54.478 70.687,53.178 v1(70.687,52.331) 70.737,52.381 75.337,52.381 v1(75.387,52.431)
RS232_RX: R51.1 R61.1 XS4.21 | length 63.4
  Top Layer w0.254: R51.1@38.4,19.454 38.355,19.499 R61.1@38.355,20.544 39.017,20.544 39.166,20.693 39.166,25.292 39.51,25.636 47.984,25.636 48.133,25.487 48.133,6.485 51.379,3.239 68.645,3.239 72.939,7.533 72.939,8.246 XS4.21@72.962,8.269
RS232_TX: R50.1 R60.1 XS4.22 | length 60.6
  Top Layer w0.254: R50.1@40.86,21.642 40.851,21.633 39.903,21.633 R60.1@39.894,21.624 39.894,24.78 40.043,24.929 47.53,24.929 47.679,24.78 47.679,6.139 51.033,2.785 68.833,2.785 73.439,7.391 73.439,8.246 XS4.22@73.462,8.269
Termistor+: XS3.4 К4.5 | length 36.6
  Top Layer w0.254: XS3.4@38.657,77.301 38.657,77.198 37.964,76.505 37.861,76.505 37.387,76.031 37.387,73.831 39.687,71.531 50.549,71.531 52.787,69.293 52.787,56.751 К4.5@54.687,54.851
Termistor-: XS3.3 К4.4 | length 27
  Top Layer w0.254: XS3.3@38.657,74.761 41.287,72.131 50.687,72.131 53.487,69.331 53.487,61.131 К4.4@54.687,59.931
TR_ACM_IN: XS5.17 К4.6 | length 17.2
  Top Layer w0.254: К4.6@57.887,54.851 57.887,52.531 59.871,50.547 68.925,50.547 70.464,49.008 70.464,48.154 XS5.17@70.487,48.131
TR_ACM_OUT: XS5.16 К4.3 | length 23
  Top Layer w0.254: К4.3@57.887,59.931 56.887,58.931 56.887,52.831 59.625,50.093 68.737,50.093 69.964,48.866 69.964,48.154 XS5.16@69.987,48.131
UART_GPS_RX: R76.2 R107.2 XP2.29 | length 31.1
  Top Layer w0.254: XP2.29@33.692,27.754 35.419,26.027 35.419,24.6 34.755,23.936 31.666,23.936 31.517,23.787 31.517,11.776 32.159,11.134 34.679,11.134 36.66,9.153 39.689,9.153 40.084,9.548 R107.2@40.109,9.548 40.086,9.571 40.086,10.651 R76.2@40.063,10.674
UART_GPS_TX: R87.2 R105.2 XP2.28 | length 33.5
  Top Layer w0.254: XP2.28@33.692,25.214 33.469,24.991 30.724,24.991 30.575,24.842 30.575,10.168 32.019,8.724 35.873,8.724 36.483,8.114 41.38,8.114 42.087,8.821 R87.2@42.087,10.681 42.08,10.674 41.094,10.674 R105.2@41.087,10.667
UART_RX: R52.2 R106.2 XP2.27 | length 16.9
  Top Layer w0.254: XP2.27@33.692,22.674 32.206,21.188 32.206,19.701 33.025,18.882 36.139,18.882 36.687,18.334 36.687,12.975 37.999,11.663 R52.2@38.024,11.663 38.017,11.656 38.017,10.657 R106.2@38.009,10.649
UART_TX: R57.2 R104.2 XP2.26 | length 10.6
  Top Layer w0.254: XP2.26@33.692,20.134 36.043,20.134 37.939,18.238 R104.2@37.939,13.966 37.947,13.974 38.98,13.974 R57.2@38.987,13.981 38.987,14.006 R57.2@38.839,14.154
USB_RX: R58.2 XP2.12 | length 9.8
  Top Layer w0.254: R58.2@12.147,35.398 12.147,37.489 12.59,37.932 16.234,37.932 18.079,36.087 18.079,35.617 XP2.12@18.322,35.374
USB_TX: R56.2 XP2.13 | length 10.2
  Top Layer w0.254: R56.2@11.047,35.398 11.047,37.724 11.913,38.59 17.304,38.59 17.98,37.914 XP2.13@18.322,37.914
Vref: DA9.6 DA9.7 R64.2 R65.2 R66.2 R67.2 R68.2 R70.2 R79.2 | length 62.2
  Top Layer w0.254: R79.2@71.816,74.75 71.841,74.75 71.989,74.602 71.989,74.44 72.281,74.148 75.49,74.148 77.474,76.132 78.148,76.132 DA9.6@78.166,76.15 ; DA9.7@78.166,76.8 DA9.6@78.166,76.15 ; R68.2@87.123,50.89 87.148,50.89 87.296,50.742 87.296,50.58 87.986,49.89 89.173,49.89 ; R70.2@87.323,61.89 87.348,61.89 87.496,61.742 87.496,61.239 87.645,61.09 89.273,61.09 ; R64.2@89.173,50.94 89.173,49.89 ; R65.2@89.373,62.04 89.273,61.94 89.273,61.09 ; R66.2@90.673,56.34 90.741,56.408 92,56.408 ; R67.2@90.973,67.64 91.023,67.59 92,67.59 ; 91.986,61.303 91.773,61.09 89.273,61.09 ; DA9.6@78.166,76.15 78.664,76.15 78.863,76.349 82.541,76.349 83.126,75.764 83.126,73.465 83.752,72.839 90.746,72.839 92,71.585 92,67.59 ; 89.173,49.89 91.851,49.89 92,50.039 92,56.408 ; 92,56.408 92,61.303 92,67.59
pads on no net: DA3.4 DA3.5 DA3.6 DA3.8 DA4.2 DA4.3 DA4.13 DA4.26 DD1.4 FP1.1 FP2.1 FP3.1 FP4.1 VD16.1 XP2.4 XP2.5 XP2.6 XP2.7 XP2.16 XP2.17 XP2.21 XP2.22 XP2.23 XP2.24 XP2.25 XP2.30 XP2.31 XS1.A8 XS1.B8 XS3.6 XS3.8 XS3.11 XS3.12 XS4.7 XS4.8 XS4.16 XS4.17 XS4.18 XS4.19 XS4.20 XS4.25 XS4.26 XS4.27 XS4.28 XS5.3 XS5.4 XS5.5 XS5.8 XS5.9 XS5.10 XS5.13 XS5.14 XS5.15 XS5.18 XS5.19 XS5.20 XS5.23 XS5.24 XS5.25 XS5.28 К1.2 К1.5 К1.6 К1.7 К2.2 К2.7

## Polygon pours and split planes (outlines as drawn)
GNDpower_ACM on Bottom Layer "GND" (solid, pour order 0): 93.5,0.5 0.5,0.5 0.5,79.5 93.5,79.5

## Silkscreen, mask and mechanical layers (free items; w line width, h text height)
Mechanical 1:
  the board outline again, w0.2

## Dimensions
0,-0.002 to 0.5,0.5 on Bottom Layer
0.5,0.5 to 0,-0.002 on Bottom Layer